# Altium PCB BA-77GHz-Radar_Frontend.PcbDoc (part 1 of 4) (continued)
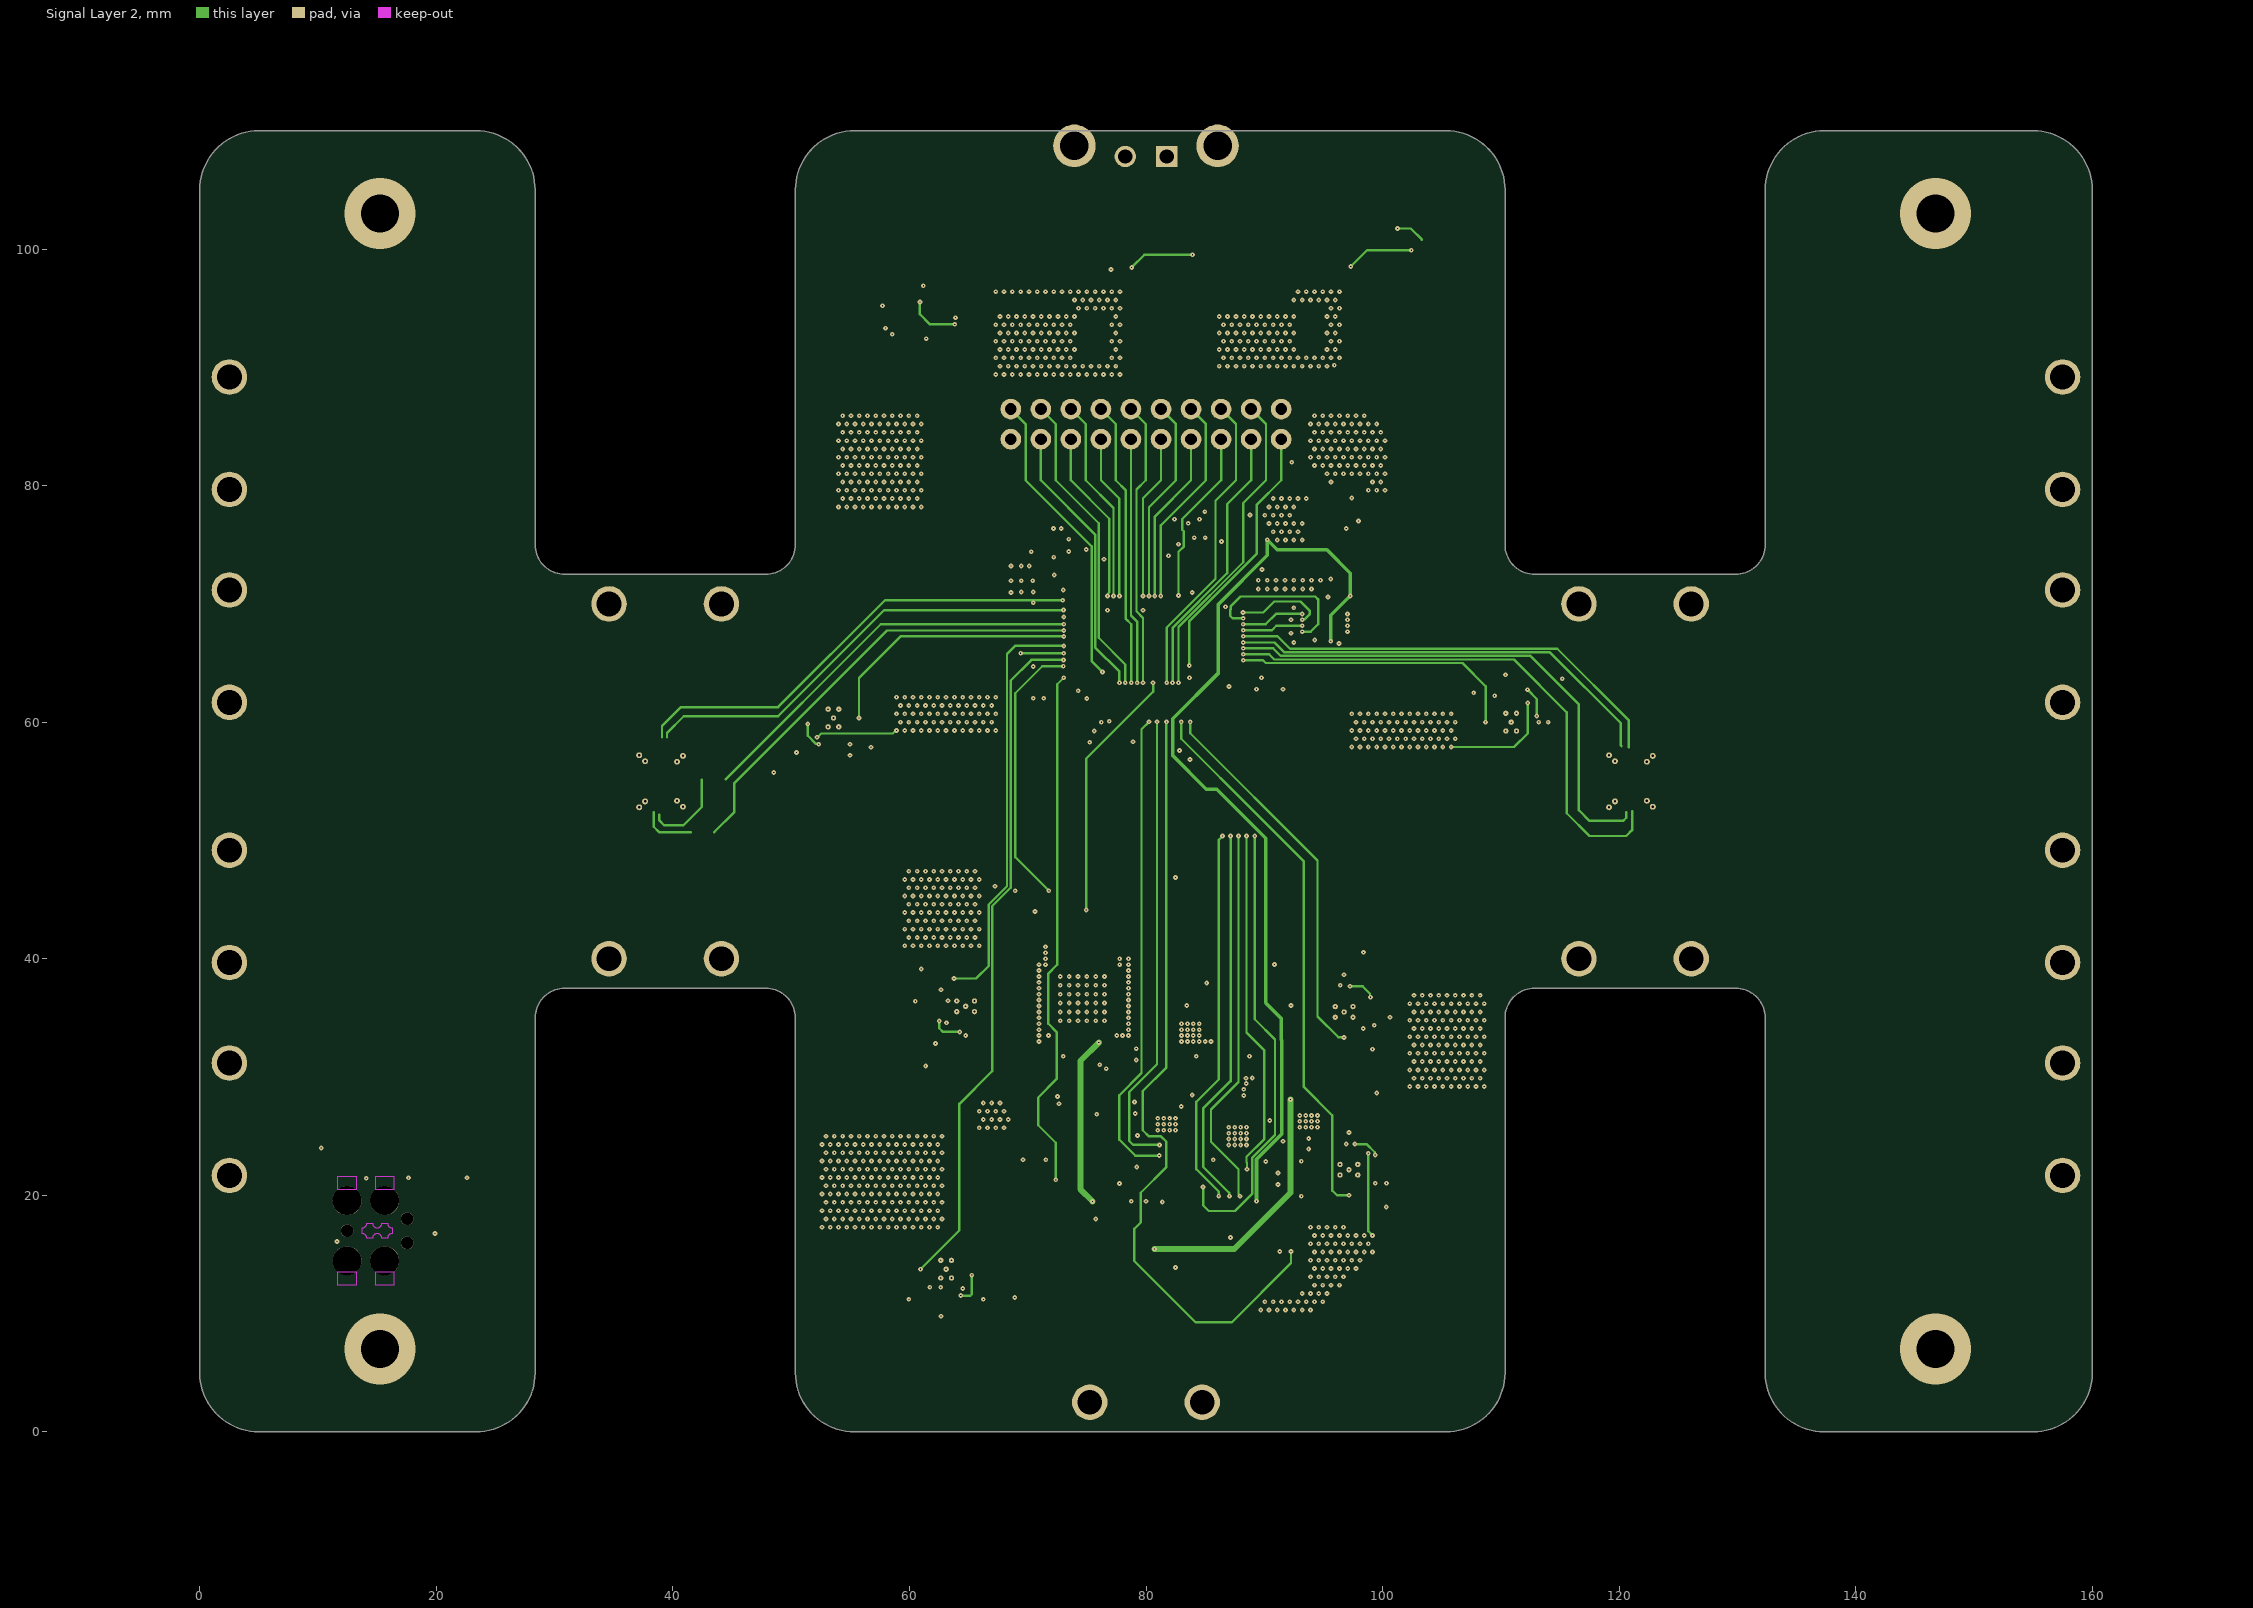
[diagram p3: Signal Layer 2]

## Layer stack, top to bottom
Top Solder: solder mask 0.015, Solder Resist, Dk 3.5
Top Copper: signal copper 0.035
Dielectric 1: prepreg 0.2, FR-4, Dk 4.2
Signal Layer 1: signal copper 0.035
Dielectric 2: core 0.35, FR-4, Dk 4.2
Signal Layer 2: signal copper 0.035
Dielectric 3: prepreg 0.36, FR-4, Dk 4.2
Signal Layer 3: signal copper 0.035
Dielectric 4: core 0.35, FR-4, Dk 4.2
Signal Layer 4: signal copper 0.035
Dielectric 5: prepreg 0.2, FR-4, Dk 4.2
Bot Copper: signal copper 0.035
Bottom Solder: solder mask 0.015, Solder Resist, Dk 3.5

## Board outline
0,5 ccw(c5,5) 5,0 23.354,0 ccw(c23.354,5) 28.354,5 28.354,35 cw(c30.854,35) 30.854,37.5 47.854,37.5 cw(c47.854,35) 50.354,35 50.354,5 ccw(c55.354,5) 55.354,0 105.354,0 ccw(c105.354,5) 110.354,5 110.354,35 cw(c112.854,35) 112.854,37.5 129.854,37.5 cw(c129.854,35) 132.354,35 132.354,5 ccw(c137.354,5) 137.354,0 155,0 ccw(c155,5) 160,5 160,105 ccw(c155,105) 155,110 137.354,110 ccw(c137.354,105) 132.354,105 132.354,75 cw(c129.854,75) 129.854,72.5 112.854,72.5 cw(c112.854,75) 110.354,75 110.354,105 ccw(c105.354,105) 105.354,110 55.354,110 ccw(c55.354,105) 50.354,105 50.354,75 cw(c47.854,75) 47.854,72.5 30.854,72.5 cw(c30.854,75) 28.354,75 28.354,105 ccw(c23.354,105) 23.354,110 5,110 ccw(c5,105) 0,105
board region "Cavity : U22": 120.25,53.9 121.75,53.9 121.75,56.1 120.25,56.1
board region "Cavity : U21": 39.75,53.9 38.25,53.9 38.25,56.1 39.75,56.1
board region "Layer Stack Region 1": 0,5 0,4.672 0.086,4.022 0.255,3.389 0.506,2.784 0.834,2.216 1.233,1.696 1.696,1.233 2.216,0.834 2.784,0.506 3.389,0.255 4.022,0.086 4.672,0 5,0 23.354,0 23.682,0 24.332,0.086 24.965,0.255 25.57,0.506 26.138,0.834 26.658,1.233 27.121,1.696 27.52,2.216 27.848,2.784 28.099,3.389 28.268,4.022 28.354,4.672 28.354,5 28.354,35 28.366,35.245 28.462,35.726 28.649,36.179 28.921,36.586 29.268,36.933 29.676,37.205 30.128,37.392 30.609,37.488 30.854,37.5 47.854,37.5 48.099,37.488 48.58,37.392 49.032,37.205 49.44,36.933 49.787,36.586 50.059,36.179 50.246,35.726 50.342,35.245 50.354,35 50.354,5 50.354,4.672 50.44,4.022 50.609,3.389 50.86,2.784 51.188,2.216 51.587,1.696 52.05,1.233 52.57,0.834 53.138,0.506 53.743,0.255 54.376,0.086 55.026,0 55.354,0 105.354,0 105.682,0 106.332,0.086 106.965,0.255 107.57,0.506 108.138,0.834 108.658,1.233 109.121,1.696 109.52,2.216 109.848,2.784 110.099,3.389 110.268,4.022 110.354,4.672 110.354,5 110.354,35 110.366,35.245 110.462,35.726 110.649,36.178 110.921,36.586 111.268,36.933 111.676,37.205 112.128,37.392 112.609,37.488 112.854,37.5 129.854,37.5 130.099,37.488 130.58,37.392 131.032,37.205 131.44,36.933 131.787,36.586 132.059,36.178 132.246,35.726 132.342,35.245 132.354,35 132.354,5 132.354,4.672 132.44,4.022 132.609,3.389 132.86,2.784 133.188,2.216 133.587,1.696 134.05,1.233 134.57,0.834 135.138,0.506 135.743,0.255 136.376,0.086 137.026,0 137.354,0 155,0 155.328,0 155.978,0.086 156.611,0.255 157.216,0.506 157.784,0.834 158.304,1.233 158.767,1.696 159.166,2.216 159.494,2.784 159.745,3.389 159.914,4.022 160,4.672 160,5 160,105 160,105.328 159.914,105.978 159.745,106.611 159.494,107.216 159.166,107.784 158.767,108.304 158.304,108.767 157.784,109.166 157.216,109.494 156.611,109.745 155.978,109.914 155.328,110 155,110 137.354,110 137.026,110 136.376,109.914 135.743,109.745 135.138,109.494 134.57,109.166 134.05,108.767 133.587,108.304 133.188,107.784 132.86,107.216 132.609,106.611 132.44,105.978 132.354,105.328 132.354,105 132.354,75 132.342,74.755 132.246,74.274 132.059,73.822 131.787,73.414 131.44,73.068 131.032,72.795 130.58,72.608 130.099,72.512 129.854,72.5 112.854,72.5 112.609,72.512 112.128,72.608 111.676,72.795 111.268,73.068 110.921,73.414 110.649,73.822 110.462,74.274 110.366,74.755 110.354,75 110.354,105 110.354,105.328 110.268,105.978 110.099,106.611 109.848,107.216 109.52,107.784 109.121,108.304 108.658,108.767 108.138,109.166 107.57,109.494 106.965,109.745 106.332,109.914 105.682,110 105.354,110 55.354,110 55.026,110 54.376,109.914 53.743,109.745 53.138,109.494 52.57,109.166 52.05,108.767 51.587,108.304 51.188,107.784 50.86,107.216 50.609,106.611 50.44,105.978 50.354,105.328 50.354,105 50.354,75 50.342,74.755 50.246,74.274 50.059,73.822 49.786,73.414 49.44,73.067 49.032,72.795 48.58,72.608 48.099,72.512 47.854,72.5 30.854,72.5 30.609,72.512 30.128,72.608 29.675,72.795 29.268,73.067 28.921,73.414 28.649,73.822 28.462,74.274 28.366,74.755 28.354,75 28.354,105 28.354,105.328 28.268,105.978 28.099,106.611 27.848,107.216 27.52,107.784 27.121,108.304 26.658,108.767 26.138,109.166 25.57,109.494 24.965,109.745 24.332,109.914 23.682,110 23.354,110 5,110 4.672,110 4.022,109.914 3.389,109.745 2.784,109.494 2.216,109.166 1.696,108.767 1.233,108.304 0.834,107.784 0.506,107.216 0.255,106.611 0.086,105.978 0,105.328 0,105

## Design rules (kind name [scope] priority, off if disabled: settings)
BoardOutlineClearance [onmid] p1: gap=0.5 ignorepadtopadclearanceinfootprint=FALSE
Clearance "Polygon Clearance" [InPolygon] p1: gap=0.11 ignorepadtopadclearanceinfootprint=TRUE except(0.7: Poly-Poly)
Clearance GND [InNet('GND') vs not InNet('GND')] p2: gap=0.15 ignorepadtopadclearanceinfootprint=TRUE
Clearance Clearance_Mid_Via [OnMid] p3: gap=0.1 ignorepadtopadclearanceinfootprint=FALSE except(0.3: Arc-Hole Track-Hole SMDPad-Hole THPad-Hole Via-Hole Fill-Hole Poly-Hole Region-Hole Text-Hole)
Clearance [All] p4: gap=0.1 ignorepadtopadclearanceinfootprint=FALSE
DiffPairsRouting [All] p1: maxlimit=0.254 minlimit=0.1 mostfreqgap=0.127 toplayer_maxgap=0.1 toplayer_prefgap=0.1 toplayer_minwidth=0.1 toplayer_maxwidth=0.2 toplayer_prefwidth=0.2 midlayer1_minwidth=0.1 midlayer1_maxwidth=0.381 midlayer1_prefwidth=0.141 midlayer2_minwidth=0.1 midlayer2_maxwidth=0.381 midlayer2_prefwidth=0.16 midlayer3_minwidth=0.381 midlayer3_maxwidth=0.381 midlayer3_prefwidth=0.381 midlayer4_minwidth=0.381 midlayer4_maxwidth=0.381 midlayer4_prefwidth=0.381 bottomlayer_maxgap=0.1 bottomlayer_prefgap=0.1 bottomlayer_minwidth=0.1 bottomlayer_maxwidth=0.2 bottomlayer_prefwidth=0.2 impedanceprofiledriven=TRUE filterlayerstackid={019E4D27-937A-4046-8478-1B0ED978D1F6} maxuncoupledlength=12.7
HoleSize [All] p1: absolutevalues=TRUE maxlimit=5 minlimit=0.1 maxpercent=80.000 minpercent=20.000
HoleToHoleClearance [All] p1: gap=0.15 allowstackedmicrovias=TRUE
MatchedLengths [InNetClass('DIFF_Radar_to_AMP')] p1: tolerance=0.5 checknetsindiffpair=TRUE checkdiffpairvsdiffpair=FALSE checkxsignals=FALSE checkothers=FALSE
MatchedLengths MatchedLengths_DIFF_Radar_to_AMP [InNetClass('SR_DATA')] p2: tolerance=1 checknetsindiffpair=FALSE checkdiffpairvsdiffpair=TRUE checkxsignals=TRUE checkothers=TRUE
MatchedLengths MatchedLengths_DIFF_Radar_to_AMP_1 [InNetClass('DIFF_Radar_to_AMP')] p3: tolerance=1 checknetsindiffpair=FALSE checkdiffpairvsdiffpair=TRUE checkxsignals=TRUE checkothers=TRUE
MatchedLengths MatchedLengths_DIFF_MMIC_to_CONN [InNetClass('DIFF_MMIC_to_CONN')] p4: tolerance=0.5 checknetsindiffpair=FALSE checkdiffpairvsdiffpair=TRUE checkxsignals=TRUE checkothers=TRUE
MinimumAnnularRing "Annular Ring Outside" [All] p1: minimumring=0.15
MinimumSolderMaskSliver [All] p1: minsoldermaskwidth=0.075
PlaneClearance [All] p1: clearance=0.15
PlaneConnect [All] p1: planeconnectstyle=Direct reliefexpansion=0.508 reliefentries=4 reliefconductorwidth=0.254 reliefairgap=0.254
PolygonConnect [All] p1: connectstyle=Direct reliefconductorwidth=0.254 reliefentries=4 polygonreliefangle="90 Angle" airgapwidth=0.254
RoomDefinition U_TX_RUBVERANO [InComponentClass('U_TX_RUBVERANO')] p1: confinementstyle=ConfineIn formatcopy=TRUE lockcomponents=FALSE outline 23,40.85 42.75,40.85 42.75,68.35 23,68.35
RoomDefinition U_RX_RUBVERANO [InComponentClass('U_RX_RUBVERANO')] p2: confinementstyle=ConfineIn formatcopy=TRUE lockcomponents=FALSE outline 118.1,41.725 137,41.725 137,68.925 118.1,68.925
RoomDefinition LDO_STM32_3V3 [InComponentClass('LDO_STM32_3V3')] p3: confinementstyle=ConfineIn formatcopy=TRUE lockcomponents=FALSE outline 90.375,75.15 99.025,75.15 99.025,82.275 90.375,82.275
RoomDefinition LDO_VCO_5V [InComponentClass('LDO_VCO_5V')] p4: confinementstyle=ConfineIn formatcopy=TRUE lockcomponents=FALSE outline 60.794,40.625 67.394,40.625 67.394,29.825 60.794,29.825
RoomDefinition U_PLL_ADF4169 [InComponentClass('U_PLL_ADF4169')] p5: confinementstyle=ConfineIn formatcopy=TRUE lockcomponents=FALSE outline 71.475,-10.3 93.6,-10.3 93.6,29.725 71.475,29.725
RoomDefinition LDO_Analog_ADF4169_3V3 [InComponentClass('LDO_Analog_ADF4169_3V3')] p6: confinementstyle=ConfineIn formatcopy=TRUE lockcomponents=FALSE outline 94.5,17.35 101.25,17.35 101.25,28.35 94.5,28.35
RoomDefinition LDO_OPV_15V [InComponentClass('LDO_OPV_15V')] p7: confinementstyle=ConfineIn formatcopy=TRUE lockcomponents=FALSE outline 58.5,9.6 69.25,9.6 69.25,16.35 58.5,16.35
RoomDefinition LDO_RX_3V3 [InComponentClass('LDO_RX_3V3')] p8: confinementstyle=ConfineIn formatcopy=TRUE lockcomponents=FALSE outline 106.25,57.25 116.95,57.25 116.95,64.6 106.25,64.6
RoomDefinition LDO_Digital_ADF4169_1V8 [InComponentClass('LDO_Digital_ADF4169_1V8')] p9: confinementstyle=ConfineIn formatcopy=TRUE lockcomponents=FALSE outline 85.25,10.85 93.5,10.85 93.5,19.6 85.25,19.6
RoomDefinition LDO_Prescaler_5V [InComponentClass('LDO_Prescaler_5V')] p10: confinementstyle=ConfineIn formatcopy=TRUE lockcomponents=FALSE outline 93.5,30.85 100.75,30.85 100.75,41.6 93.5,41.6
RoomDefinition Buck_Converter_6V [InComponentClass('Buck_Converter_6V')] p11: confinementstyle=ConfineIn formatcopy=TRUE lockcomponents=FALSE outline 85,89.2 85,106.1 103.7,106.1 103.7,89.2
RoomDefinition Buck_Converter_4V [InComponentClass('Buck_Converter_4V')] p12: confinementstyle=ConfineIn formatcopy=TRUE lockcomponents=FALSE outline 86.313,88.85 86.313,105.65 66.538,105.65 66.538,88.85
RoomDefinition LDO_TX_3V3 [InComponentClass('LDO_TX_3V3')] p13: confinementstyle=ConfineIn formatcopy=TRUE lockcomponents=FALSE outline 47.425,55.75 58.2,55.75 58.2,63.1 47.425,63.1
RoomDefinition U_Loop_Filter_AD8065 [InComponentClass('U_Loop_Filter_AD8065')] p14: confinementstyle=ConfineIn formatcopy=TRUE lockcomponents=FALSE outline 82.485,10.103 82.485,20.953 70.135,20.953 70.135,10.103
RoomDefinition U_VCO_HMC8364 [InComponentClass('U_VCO_HMC8364')] p15: confinementstyle=ConfineIn formatcopy=TRUE lockcomponents=FALSE outline 81.06,20.553 81.06,45.778 67.16,45.778 67.16,20.553
RoomDefinition U_Prescaler_HMC862A [InComponentClass('U_Prescaler_HMC862A')] p16: confinementstyle=ConfineIn formatcopy=TRUE lockcomponents=FALSE outline 91.56,30.178 91.56,39.353 83.61,39.353 83.61,30.178
RoomDefinition Boost_Converter_16V [InComponentClass('Boost_Converter_16V')] p17: confinementstyle=ConfineIn formatcopy=TRUE lockcomponents=FALSE outline 56.675,86.05 66.95,86.05 66.95,106.8 56.675,106.8
RoutingCorners [All] p1: cornerstyle=45-Degree minsetback=2.5 maxsetback=2.5
RoutingVias [All] p1: holewidth=0.1 width=0.4 viastyle="Through Hole" minholewidth=0.1 minwidth=0.4 maxholewidth=5 maxwidth=10
SilkToSolderMaskClearance [IsPad] p1: minsilkscreentomaskgap=0.1 clearancetoexposedcopper=TRUE
SolderMaskExpansion "VIA Tented" [IsVia] p1: expansion=0.102 istentingtop=TRUE
SolderMaskExpansion [All] p2: expansion=0.03 istentingtop=FALSE
SupplyNets "Schematic Supply Nets_22" [InNet('+5V_VCO')] p1: voltage=0.000
SupplyNets "Schematic Supply Nets_21" [InNet('+5V_Prescaler')] p2: voltage=0.000
SupplyNets "Schematic Supply Nets_20" [InNet('+15V_OPV')] p3: voltage=0.000
SupplyNets "Schematic Supply Nets_19" [InNet('+3V3_STM32')] p4: voltage=0.000
SupplyNets "Schematic Supply Nets_18" [InNet('+12V')] p5: voltage=0.000
SupplyNets "Schematic Supply Nets_17" [InNet('+3V3_TX')] p6: voltage=0.000
SupplyNets "Schematic Supply Nets_15" [InNet('+1V8_ADF4169')] p7: voltage=0.000
SupplyNets "Schematic Supply Nets_14" [InNet('+3V3_RX')] p8: voltage=0.000
SupplyNets "Schematic Supply Nets_13" [InNet('+16V_BOOST')] p9: voltage=0.000
SupplyNets "Schematic Supply Nets_12" [InNet('+6V_BUCK')] p10: voltage=0.000
SupplyNets "Schematic Supply Nets_11" [InNet('+4V_BUCK')] p11: voltage=0.000
SupplyNets "Schematic Supply Nets_10" [InNet('+3V3_ADF4169')] p12: voltage=0.000
SupplyNets "Schematic Supply Nets_3" [InNet('GND')] p13: voltage=0.000
UnpouredPolygon [All] p1: allowunpoured=TRUE allowshelved=TRUE
Width 50R_CPWG [InNetClass('50Ohm_CPWG')] p1: maxlimit=0.367 minlimit=0.212 preferedwidth=0.367 toplayer_minwidth=0.367 midlayer1_maxwidth=0.212 midlayer1_prefwidth=0.212 midlayer2_maxwidth=0.212 midlayer2_prefwidth=0.212 bottomlayer_minwidth=0.367 impedanceprofiledriven=TRUE minimp=50.000000 maximp=50.000000 favimp=50.000000
Width 50R_MSL [InNetClass('50R')] p2: maxlimit=0.51 minlimit=0.281 preferedwidth=0.51 toplayer_minwidth=0.51 midlayer1_maxwidth=0.281 midlayer1_prefwidth=0.281 midlayer2_minwidth=0.461 midlayer2_maxwidth=0.461 midlayer2_prefwidth=0.461 bottomlayer_minwidth=0.51 impedanceprofiledriven=TRUE minimp=50.000000 maximp=50.000000 favimp=50.000000
Width Standard_Routing [All] p3: maxlimit=5 minlimit=0.1 preferedwidth=0.2
21 further rules are at their usual default settings.

## Classes and differential pairs
net class 50R: ADF4169_FB PSC_FB PSC_OUT_P
component class U_Power_Supply: X1
channel class LT3045_3V3: LDO_RX_3V3 LDO_TX_3V3
channel class LT3042_5V: LDO_Prescaler_5V LDO_VCO_5V
component class U_WPD_PLL: LO_In LO_Out MC2 MC3
component class U_VCO_HMC8364: C79 C80 C81 C82 C83 C84 C85 C86 C87 C88 C89 C90 C91 C92 C93 C94 C95 C96 C97 C98 FB1 FB2 FB3 FB4 FB5 FB6 FB7 FB8 FB9 FB10 R61 R62 R63 R64 U15 U16 Y2
component class U_TX_RUBVERANO: T1 T2 T3 T4 T9 T10 U21
component class U_RX_RUBVERANO: T5 T6 T7 T8 T11 T12 U22
component class U_Prescaler_HMC862A: C99 C100 C101 C102 C103 C104 R69 R70 U17
component class U_PLL_ADF4169: C56 C65 C66 C67 C68 C69 C70 C71 C72 C73 R46 R47 R48 R49 R50 R85 REF U13
component class U_MCU: C1 C2 C3 C4 C5 C6 C7 C8 C9 C10 C11 C12 C13 C14 C15 C16 LED12 Q2 R1 R2 R3 R4 R5 R6 R7 R8 R9 R10 R11 R13 R15 R17 R18 R19 R20 R21 R22 R23 R24 R25 R26 R51 R52 R53 R54 R55 R65 R66 U1 U2 U3 X2 X3 X4 Y1
component class U_Loop_Filter_AD8065: C46 C49 C51 C54 C78 R56 R57 R58 R59 R60 U14
component class U_GSG_TX: TX_OUT_1 TX_OUT_2
component class U_GSG_RX: RX_IN_1 RX_IN_2
component class U_IF_Connectors: I_IF_RX_1 I_IF_RX_2 I_IF_TX_1 I_IF_TX_2 Q_IF_RX_1 Q_IF_RX_2 Q_IF_TX_1 Q_IF_TX_2
component class Buck_Converter_6V: C34 C35 C36 C37 C38 C39 C40 C44 L3 LED8 R16 R37 R38 R39 R40 R41 U6
component class U_20dB_Attenuator_TX: U20
component class U_20dB_Attenuator_RX: U19
component class U_3dB_Attenuator: U18
component class LDO_VCO_5V: C47_LDO_VCO_5V C48_LDO_VCO_5V C50_LDO_VCO_5V LED15_LDO_VCO_5V R43_LDO_VCO_5V R79_LDO_VCO_5V U8_LDO_VCO_5V
component class LDO_TX_3V3: C57_LDO_TX_3V3 C58_LDO_TX_3V3 C60_LDO_TX_3V3 LED17_LDO_TX_3V3 R45_LDO_TX_3V3 R81_LDO_TX_3V3 U10_LDO_TX_3V3
component class LDO_STM32_3V3: C61 C62 LED18 R82 U11
component class LDO_RX_3V3: C57_LDO_RX_3V3 C58_LDO_RX_3V3 C60_LDO_RX_3V3 LED17_LDO_RX_3V3 R45_LDO_RX_3V3 R81_LDO_RX_3V3 U10_LDO_RX_3V3
component class LDO_Prescaler_5V: C47_LDO_Prescaler_5V C48_LDO_Prescaler_5V C50_LDO_Prescaler_5V LED15_LDO_Prescaler_5V R43_LDO_Prescaler_5V R79_LDO_Prescaler_5V U8_LDO_Prescaler_5V
component class LDO_OPV_15V: C42 C43 C45 LED14 R42 R78 U7
component class LDO_Digital_ADF4169_1V8: C63 C64 LED19 Q3 R83 R84 U12
component class LDO_Analog_ADF4169_3V3: C52 C53 C55 LED16 R44 R80 U9
component class Buck_Converter_4V: C27 C28 C29 C30 C31 C32 C33 C41 L2 LED6 R14 R31 R32 R33 R34 R35 R36 U5
component class Boost_Converter_16V: C17 C18 C19 C20 C21 C22 C23 C24 C25 C26 L1 LED4 R12 R27 R28 R29 R30 U4
net class 50Ohm_CPWG: I_IF_RX_1 I_IF_RX_2 I_IF_TX_1 I_IF_TX_2 LO_20GHz LO_RX LO_TX NetC56_2 NetLO_In_1 PSC_IN_P Q_IF_RX_1 Q_IF_RX_2 Q_IF_TX_1 Q_IF_TX_2 RX_IN_1 RX_IN_2 TX_OUT_1 TX_OUT_2 VCO_20GHz VCO_FB WPD_LO_RX WPD_LO_TX
differential pair TX_OUT_2: +TX_OUT_2_P -TX_OUT_2_N
differential pair TX_OUT_1: +TX_OUT_1_P -TX_OUT_1_N
differential pair TX_IF_Q_2: +TX_IF_Q_2_P -TX_IF_Q_2_N
differential pair TX_IF_Q_1: +TX_IF_Q_1_P -TX_IF_Q_1_N
differential pair TX_IF_I_2: +TX_IF_I_2_P -TX_IF_I_2_N
differential pair TX_IF_I_1: +TX_IF_I_1_P -TX_IF_I_1_N
differential pair RX_IN_2: +RX_IN_2_P -RX_IN_2_N
differential pair RX_IN_1: +RX_IN_1_P -RX_IN_1_N
differential pair RX_IF_Q_2: +RX_IF_Q_2_P -RX_IF_Q_2_N
differential pair RX_IF_Q_1: +RX_IF_Q_1_P -RX_IF_Q_1_N
differential pair RX_IF_I_2: +RX_IF_I_2_P -RX_IF_I_2_N
differential pair RX_IF_I_1: +RX_IF_I_1_P -RX_IF_I_1_N

## Components (designator, comment, footprint, x,y, rotation, side; value= is the part's Value field where it differs from the comment)
C1 "100n" C_0402_1005Metric_IPC_N 88.2,62.775 r180 bottom
C2 "100n" C_0402_1005Metric_IPC_N 76.225,58.775 r90 bottom
C3 "100n" C_0402_1005Metric_IPC_N 71.775,71.95 r0 bottom
C4 "100n" C_0402_1005Metric_IPC_N 76,75.225 r270 bottom
C5 "2.2u" C_0603_1608Metric_IPC_N 88.225,69.975 r180 bottom
C6 "2.2u" C_0603_1608Metric_IPC_N 71.775,73.2 r0 bottom
C7 "2.2u" C_0603_1608Metric_IPC_N 88.225,64.025 r180 bottom
C8 "100n" C_0402_1005Metric_IPC_N 83.1,76.7 r270 bottom
C9 "2.2u" C_0603_1608Metric_IPC_N 74.75,75.222 r270 bottom
C10 "*" C_0402_1005Metric_IPC_N 95.175,71.251 r0 bottom
C11 "100n" C_0402_1005Metric_IPC_N 96.15,66.051 r180 bottom
C12 "100n" C_0402_1005Metric_IPC_N 88.15,72.9 r0 bottom
C13 "100n" C_0402_1005Metric_IPC_N 89.1,76.35 r180 bottom
C14 "20p" C_0402_1005Metric_IPC_N 77.525,74.225 r180 bottom
C15 "20p" C_0402_1005Metric_IPC_N 79.425,74.225 r180 bottom
C16 "100n" C_0402_1005Metric_IPC_N 80,53.453 r0 bottom
C17 "10u" C_1206_3216Metric_IPC_N 63,105.35 r0 bottom
C18 "10u" C_1206_3216Metric_IPC_N 63,103.05 r0 bottom
C19 "1u" C_0402_1005Metric_IPC_N 64.5,96.2 r180 bottom
C20 "1u" C_0402_1005Metric_IPC_N 62,91.8 r0 bottom
C21 "10u" C_1206_3216Metric_IPC_N 62,89.8 r0 bottom
C22 "10u" C_1206_3216Metric_IPC_N 62,87.5 r0 bottom
C23 "470n" C_0402_1005Metric_IPC_N 62.6,96.2 r180 bottom
C24 "4u7" C_0402_1005Metric_IPC_N 60.7,96.2 r180 bottom
C25 "15p" C_0402_1005Metric_IPC_N 59,93.3 r0 bottom
C26 "2n2" C_0402_1005Metric_IPC_N 57.475,93.8 r90 bottom
C27 "22u" C_1206_3216Metric_IPC_N 83.4,103.75 r180 bottom
C28 "100n" C_0603_1608Metric_IPC_N 80.775,101.7 r0 bottom
C29 "100n" C_0402_1005Metric_IPC_N 81.375,97 r0 bottom
C30 "22u" C_1206_3216Metric_IPC_N 72.575,96.8 r270 bottom
C31 "22u" C_1206_3216Metric_IPC_N 70.275,96.8 r270 bottom
C32 "1u" C_0603_1608Metric_IPC_N 77.175,97.6 r0 bottom
C33 "1n" C_0402_1005Metric_IPC_N 77.675,98.9 r0 bottom
C34 "22u" C_1206_3216Metric_IPC_N 99.275,104.6 r0 bottom
C35 "100n" C_0603_1608Metric_IPC_N 99.275,102.1 r0 bottom
C36 "100n" C_0402_1005Metric_IPC_N 99.875,97.4 r0 bottom
C37 "22u" C_1206_3216Metric_IPC_N 91.075,97.2 r270 bottom
C38 "22u" C_1206_3216Metric_IPC_N 88.775,97.2 r270 bottom
C39 "1u" C_0603_1608Metric_IPC_N 95.675,98 r0 bottom
C40 "1n" C_0402_1005Metric_IPC_N 96.175,99.3 r0 bottom
C41 "22u" C_1206_3216Metric_IPC_N 67.975,96.8 r270 bottom
C42 "4u7" C_1206_3216Metric_IPC_N 59.95,13.748 r90 top
C43 "4u7" C_1206_3216Metric_IPC_N 66.25,13.748 r90 top
C44 "22u" C_1206_3216Metric_IPC_N 86.475,97.2 r270 bottom
C45 "470n" C_0402_1005Metric_IPC_N 63.1,11.523 r0 top
C46 "180p" C_0603_1608Metric_IPC_N 74.11,11.153 r0 top
C47_LDO_Prescaler_5V "4u7" C_1206_3216Metric_IPC_N 96.75,32.35 r180 top (schematic designator C47)
C47_LDO_VCO_5V "4u7" C_1206_3216Metric_IPC_N 63.975,39.125 r0 top (schematic designator C47)
C48_LDO_Prescaler_5V "4u7" C_1206_3216Metric_IPC_N 96.75,38.65 r180 top (schematic designator C48)
C48_LDO_VCO_5V "4u7" C_1206_3216Metric_IPC_N 64.75,32.825 r0 top (schematic designator C48)
C49 "10n" C_0603_1608Metric_IPC_N 72.335,12.628 r0 top
C50_LDO_Prescaler_5V "470n" C_0402_1005Metric_IPC_N 98.975,35.5 r90 top (schematic designator C50)
C50_LDO_VCO_5V "470n" C_0402_1005Metric_IPC_N 62.525,35.975 r270 top (schematic designator C50)
C51 "100p" C_0603_1608Metric_IPC_N 81.435,14.703 r270 top
C52 "4u7" C_1206_3216Metric_IPC_N 97.159,19.009 r180 top
C53 "4u7" C_1206_3216Metric_IPC_N 97.159,25.309 r180 top
C54 "390p" C_0603_1608Metric_IPC_N 76.985,19.903 r180 top
C55 "470n" C_0402_1005Metric_IPC_N 99.384,22.159 r90 top
C56 "1n" C_0402_1005Metric_IPC_N 83.875,24.798 r270 top
C57_LDO_RX_3V3 "4u7" C_1206_3216Metric_IPC_N 107.7,59.85 r270 bottom (schematic designator C57)
C57_LDO_TX_3V3 "4u7" C_1206_3216Metric_IPC_N 56.75,60.5 r90 bottom (schematic designator C57)
C58_LDO_RX_3V3 "10u" C_1206_3216Metric_IPC_N 114,60 r270 bottom (schematic designator C58)
C58_LDO_TX_3V3 "10u" C_1206_3216Metric_IPC_N 50.45,60.35 r90 bottom (schematic designator C58)
C60_LDO_RX_3V3 "470n" C_0402_1005Metric_IPC_N 110.875,62.225 r0 bottom (schematic designator C60)